# Altium PCB Steam_dev_kit_revised.PcbDoc (part 1 of 3) (continued)
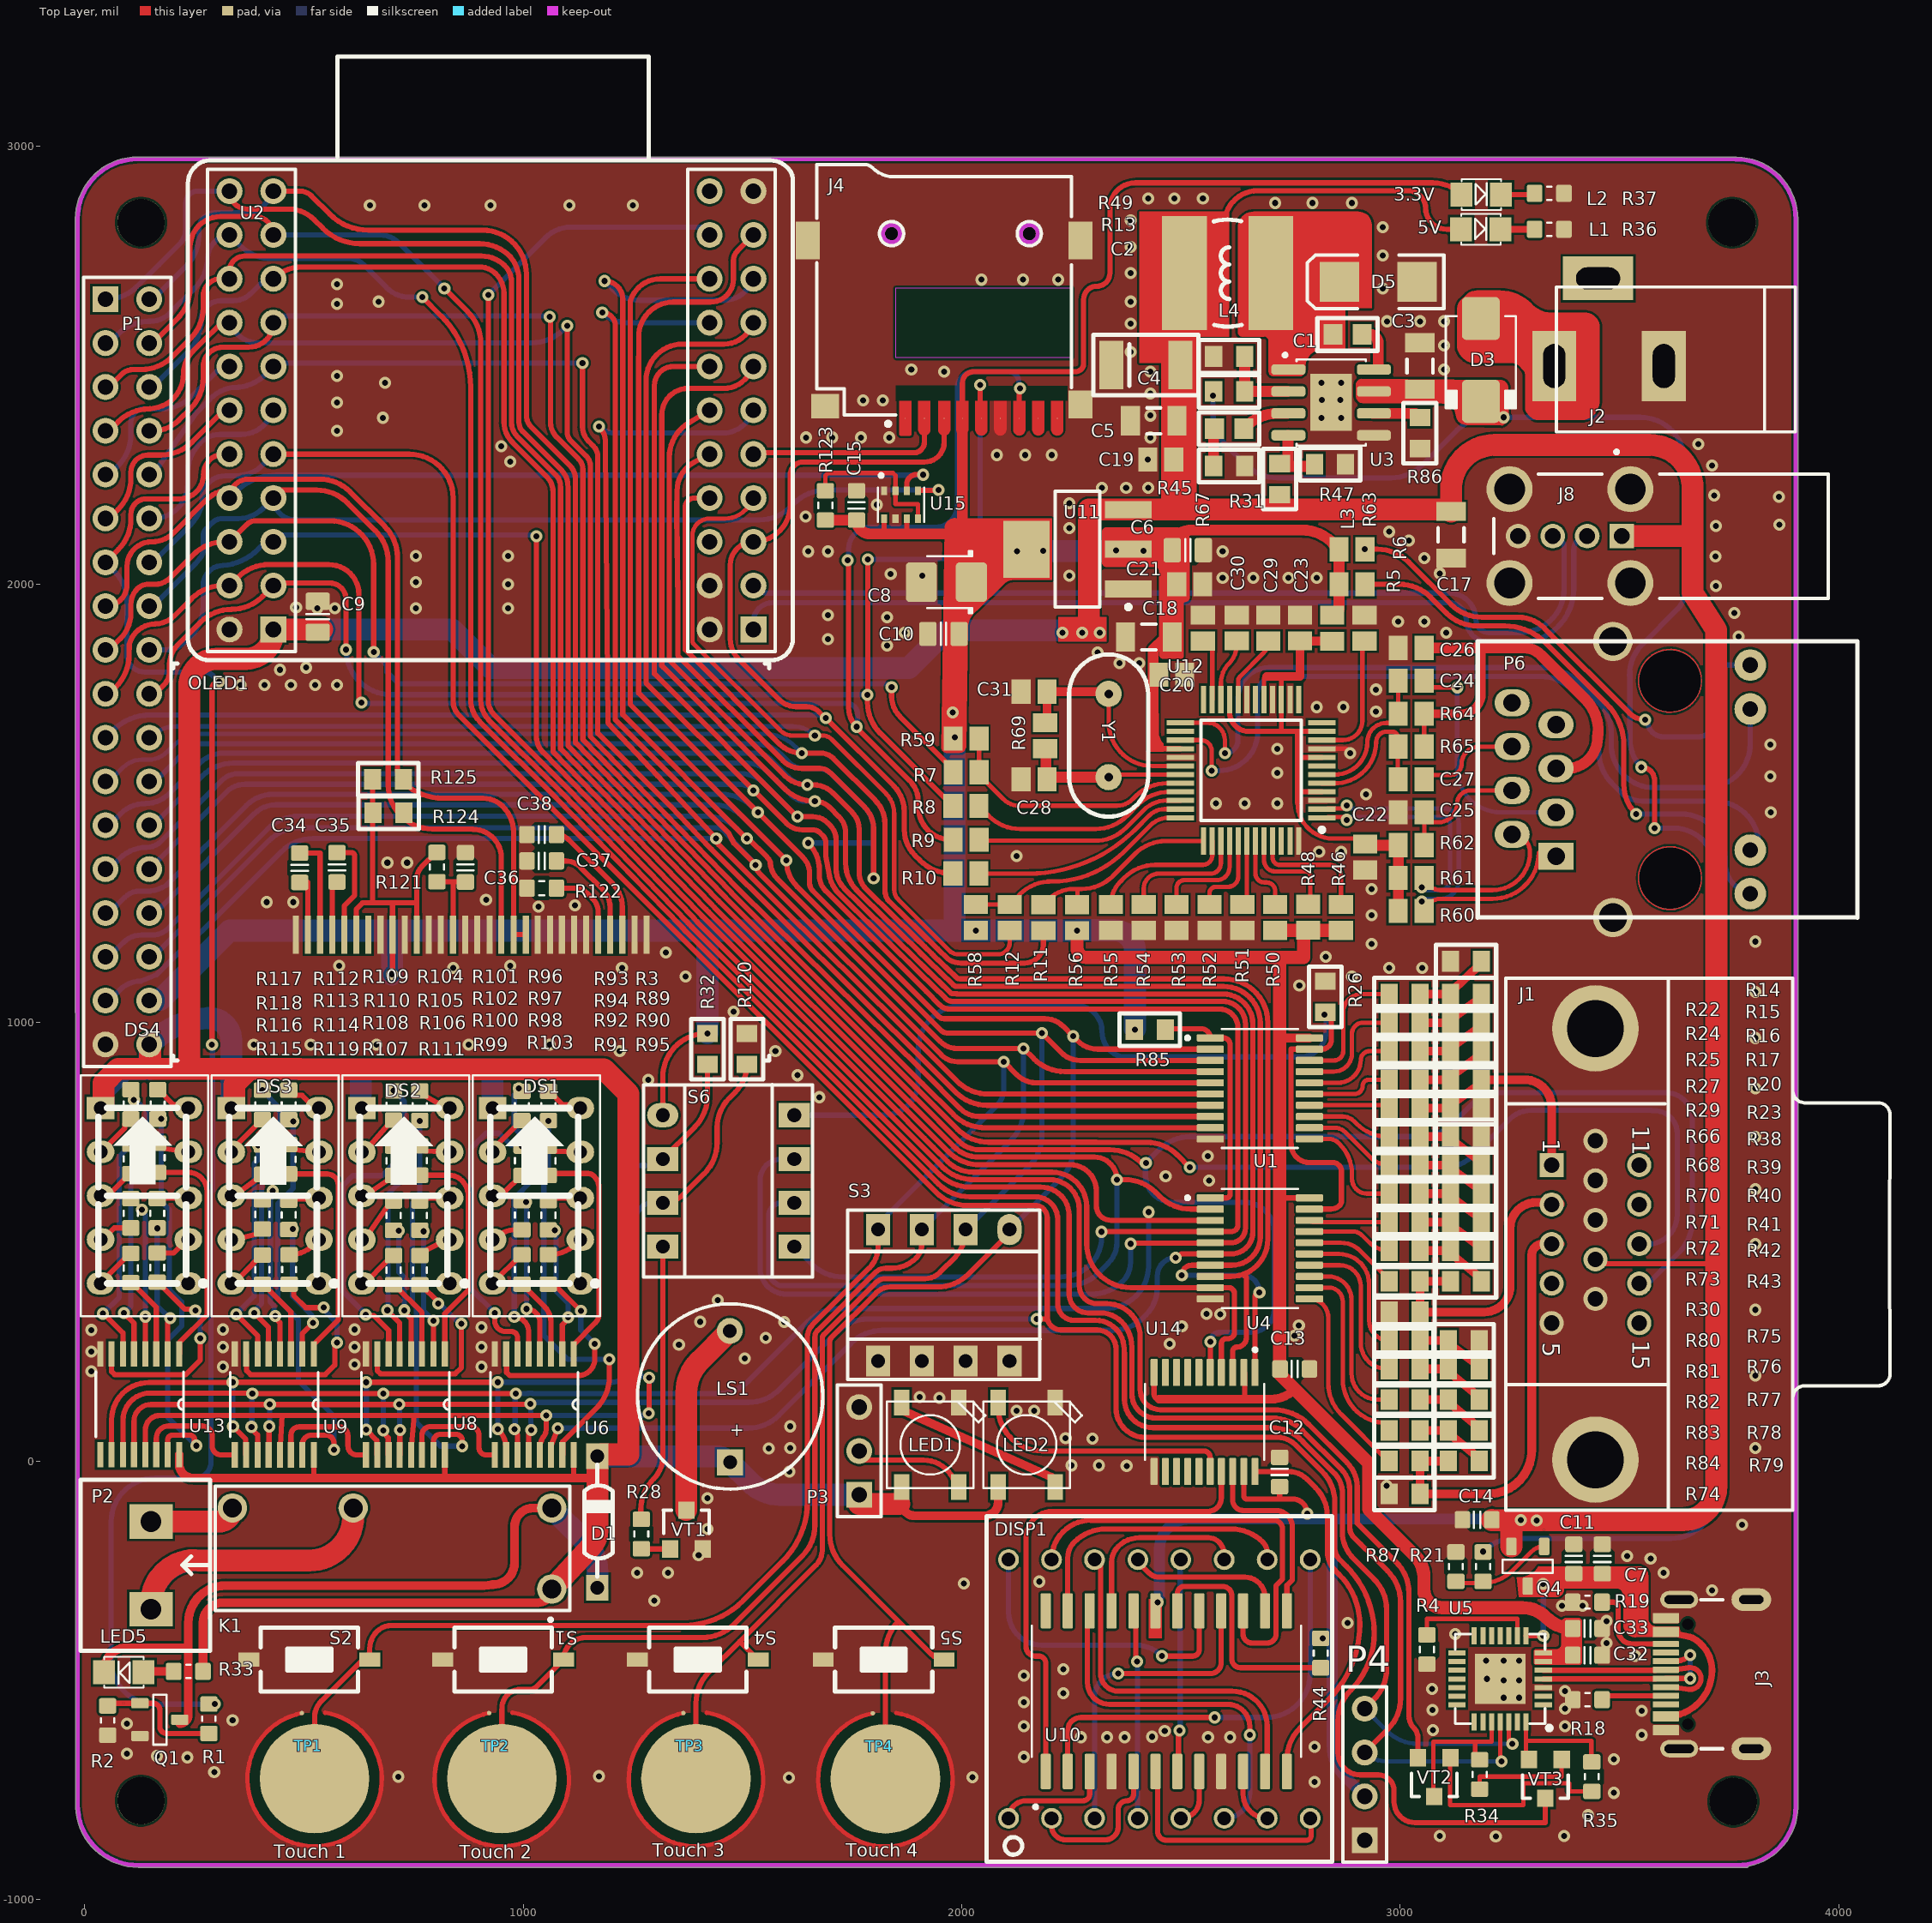
[diagram p0: Top Layer view]
## Footprints (in the part's own frame and the unit in brackets; to place one, negate y for a bottom-side part, rotate by r counter-clockwise, add the part's x,y. Pads: shape width x height; smd on the part's side, far side on the other; paste and mask are expansions set on the pad) (continued)
ALDP [mm]
  round 1.7 hole 1.1: 1(-9.25,2.35) 2(-9.25,-2.35) 3(2.25,-2.35) 4(9.25,-2.35)
  silkscreen extent -10.3,-3.6 10.25,4.22, body extent -10.02,-3.57 10.28,3.43, height 14.9
C0805 [mm] "Radial Cap, Thru-Hole; 2 Leads; 0.3 in Pin Spacing"
  rect 1.1x1.4 smd: 1(-0.75,0) 2(0.75,0)
  body extent -1.1,-0.72 1.1,0.72, height 1.4
C1206 [mm]
  rect 1.1x1.7 smd: 1(-1.35,0) 2(1.35,0)
  silkscreen extent -0.4,-0.75 0.4,0.75, body extent -1.7,-0.9 1.7,0.9, height 1.3
CAP-0603 [mm]
  rect 1.1x1.2 smd: 1(-0.85,0) 2(0.85,0)
  silkscreen extent -1.75,-0.95 1.75,0.95, body extent -0.85,-0.4 0.75,0.4, height 0.9
CAPC1608X90N [mm]
  round 0.254 on Mech15: 0(0,0)
  rrect25% 0.9x1 smd: 1(-0.85,0) 2(0.85,0)
  Top Layer pour cut-out: -0.6,0.5 -0.4,0.7 0.4,0.7 0.6,0.5 0.6,-0.5 0.4,-0.7 -0.4,-0.7 -0.6,-0.5
  silkscreen extent -0.18,-0.48 0.18,0.48, body extent -0.85,-0.45 0.85,0.45, height 0.89
CAPC2012X135N#1 [mm]
  round 0.254 on Mech15: 0(0,0)
  rrect25% 1x1.4 smd: 1(-0.9,0) 2(0.9,0)
  Top Layer pour cut-out: -0.675,0.7 -0.475,0.9 0.475,0.9 0.675,0.7 0.675,-0.7 0.475,-0.9 -0.475,-0.9 -0.675,-0.7
  silkscreen extent -0.15,-0.65 0.15,0.65, body extent -1.1,-0.72 1.1,0.73, height 1.34
CAPC2012X135N#2 [mm] "Chip Capacitor, Body 2.0x1.2mm, EIA 0805, IPC Medium Density"
  round 0.254 on Mech15: 0(0,0)
  rrect25% 1x1.4 smd: 1(-0.9,0) 2(0.9,0)
  silkscreen extent -0.15,-0.65 0.15,0.65, body extent -1.1,-0.72 1.1,0.73, height 1.34
CAPMP3528X210N [mm] "Molded body capacitor, Body 3.5x2.8mm, 1210, IPC Nominal settings"
  round 0.254 on Mech15: 0(0,0)
  rrect25% 1.8x2.3 smd: 1(-1.45,0) 2(1.45,0)
  Top Layer pour cut-out: -0.508,1.27 0.508,1.27 0.508,-1.27 -0.508,-1.27
  silkscreen extent -1.5,-1.8 1.1,1.8, body extent -1.75,-1.4 1.75,1.4, height 2.1
CP2102 [mm]
  rect 1x0.3 smd: 1(-2.5,1.5) 2(-2.5,1) 3(-2.5,0.5) 4(-2.5,0) 5(-2.5,-0.5) 6(-2.5,-1) 7(-2.5,-1.5) 15(2.5,-1.5) 16(2.5,-1) 17(2.5,-0.5) 18(2.5,0) 19(2.5,0.5) 20(2.5,1) 21(2.5,1.5)
  rect 0.3x1 smd: 8(-1.5,-2.5) 9(-1,-2.5) 10(-0.5,-2.5) 11(0,-2.5) 12(0.5,-2.5) 13(1,-2.5) 14(1.5,-2.5) 22(1.5,2.5) 23(1,2.5) 24(0.5,2.5) 25(0,2.5) 26(-0.5,2.5) 27(-1,2.5) 28(-1.5,2.5)
  rect 2.921x2.921 smd paste-3.2: 29(0,0)
  silkscreen extent -2.97,-2.6 2.6,2.97, body extent -2.5,-2.5 2.5,2.5, height 1
DB15-VGA-Female [mm]
  rect 1.4x1.4 hole 0.9: 1(0,0)
  round 1.4 hole 0.9: 2(2.29,0) 3(4.58,0) 4(6.87,0) 9(5.47,2.54) 11(0,5.08) 12(2.29,5.08) 13(4.58,5.08) 14(6.87,5.08) 15(9.16,5.08)
  round 1.4 hole 0.9 mask+0: 5(9.16,0) 6(-1.4,2.54) 7(0.89,2.54) 8(3.18,2.54) 10(7.76,2.54)
  round 5 hole 3.3: 16(-7.915,2.54) 17(17.075,2.54)
  silkscreen extent -10.83,-2.65 20.01,19.61, body extent -12.27,-1.67 21.42,60.12, height 14.3
DC-IN [mil] "Jac DC input"
  rect 100x160 hole 50 slot 100 at 90 deg: 1(125,100) 2(-125,100)
  rect 160x100 hole 50 slot 100 at 0 deg: 3(25,-100)
  silkscreen extent -425,-80 120,250, body extent -410,-105 134,269, height 434
DIODE/NOM/0.5A [mm]
  rect 1.5x1.3 hole 0.8: 1(0,0) 2(7.62,0)
  silkscreen extent 0.64,-0.89 7.11,0.76
DIPSWITCH4 [mm]
  oval 1.4x1.8 hole 0.8: 1(0,0)
  rect 1.4x1.8 hole 0.8: 2(2.54,0) 3(5.08,0) 4(7.62,0) 5(7.62,7.62) 6(5.08,7.62) 7(2.54,7.62) 8(0,7.62)
  silkscreen extent -1.78,-1.12 9.37,8.69, body extent -1.77,-0.99 9.39,8.61, height 6.3
DISP_8X8_MATRIX_2020 [mil]
  round 47.2 hole 31.4: 1(-344,-295) 2(-246,-295) 3(-148,-295) 4(-49,-295) 5(49,-295) 6(148,-295) 7(246,-295) 8(344,-295) 9(344,295) 10(246,295) 11(148,295) 12(49,295) 13(-49,295) 14(-148,295) 15(-246,295) 16(-344,295)
  silkscreen extent -394,-394 394,394
DO-214AA [mm] "JEDEC DO214 variation AA. SMB"
  round 0.508 on Mech15: 0(0,0)
  rrect25% 2.5x2.2 smd: A(-2.4,0) K(2.4,0)
  silkscreen extent -2.54,-2.03 2.79,2.03, body extent -2.8,-1.97 2.8,1.98, height 2.62
ESP32S3_controller [mm]
  rect 1.5x1.5 hole 0.9: 1(14.148,-16.408) L1(-13.665,-16.408)
  round 1.5 hole 0.9: 2(11.608,-16.408) 3(14.148,-13.868) 4(11.608,-13.868) 5(14.148,-11.328) 6(11.608,-11.328) 7(14.148,-8.788) 8(11.608,-8.788) 9(14.148,-6.248) 10(11.608,-6.248) 11(14.148,-3.708) 12(11.608,-3.708) 13(14.148,-1.168) 14(11.608,-1.168) 15(14.148,1.372) 16(11.608,1.372) 17(14.148,3.912) 18(11.608,3.912) 19(14.148,6.452) 20(11.608,6.452) 21(14.148,8.992) 22(11.608,8.992) L2(-16.205,-16.408) L3(-13.665,-13.868) L4(-16.205,-13.868) L5(-13.665,-11.328) L6(-16.205,-11.328) L7(-13.665,-8.788) L8(-16.205,-8.788) L9(-13.665,-6.248) L10(-16.205,-6.248) L11(-13.665,-3.708) L12(-16.205,-3.708) L13(-13.665,-1.168) L14(-16.205,-1.168) L15(-13.665,1.372) L16(-16.205,1.372) L17(-13.665,3.912) L18(-16.205,3.912) L19(-13.665,6.452) L20(-16.205,6.452) L21(-13.665,8.992) L22(-16.205,8.992)
  silkscreen extent -18.62,-18.19 16.43,16.79
HDR1X3 [mm] "Connector; Header; 3 Position"
  rect 1.5x1.5 hole 0.9: 1(0,0)
  round 1.5 hole 0.9: 2(2.54,0) 3(5.08,0)
  silkscreen extent -1.27,-1.27 6.35,1.27
HDR1X4 [mm] "Connector; Header; 4 Position"
  rect 1.5x1.5 hole 0.9: 1(0,0)
  round 1.5 hole 0.9: 2(2.54,0) 3(5.08,0) 4(7.62,0)
  silkscreen extent -1.27,-1.27 8.89,1.27, body extent -1.27,-1.27 8.89,1.27, height 7
HDR2X18 [mm] "Connector; Header; 18x2 Position"
  rect 1.5x1.5 hole 0.9: 1(0,0)
  round 1.5 hole 0.9: 2(0,2.54) 3(2.54,0) 4(2.54,2.54) 5(5.08,0) 6(5.08,2.54) 7(7.62,0) 8(7.62,2.54) 9(10.16,0) 10(10.16,2.54) 11(12.7,0) 12(12.7,2.54) 13(15.24,0) 14(15.24,2.54) 15(17.78,0) 16(17.78,2.54) 17(20.32,0) 18(20.32,2.54) 19(22.86,0) 20(22.86,2.54) 21(25.4,0) 22(25.4,2.54) 23(27.94,0) 24(27.94,2.54) 25(30.48,0) 26(30.48,2.54) 27(33.02,0) 28(33.02,2.54) 29(35.56,0) 30(35.56,2.54) 31(38.1,0) 32(38.1,2.54) 33(40.64,0) 34(40.64,2.54) 35(43.18,0) 36(43.18,2.54)
  silkscreen extent -1.27,-1.27 44.45,3.81, body extent -1.27,-1.27 44.45,3.81, height 1.5
HR911105A [mil]
  rect 80x62 hole 40: 1(0,0)
  oval 80x62 hole 40: 2(-100,50) 3(0,100) 4(-100,150) 5(0,200) 6(-100,250) 7(0,300) 8(-100,350)
  round 72 hole 36: 9(442.91,-85.63) 10(442.91,14) 11(442.91,335.87) 12(442.91,436)
  round 90 hole 65: 13(129.92,-139.76) 14(129.92,490.16)
  Multi-Layer circle w5: c260,400 r70.8
  Multi-Layer circle w5: c260,-50 r70.8
  silkscreen extent -179,-140 687,490
"Inductor SMD 6.8*6.8*4.5" [mm]
  rect 2.6x6.6 smd: 1(0,0) 2(5,0)
  silkscreen extent 1.7,-3.1 3.3,3.1, body extent -0.48,-2.99 5.5,2.99, height 4.5
LED7SEG-1-0.36T [mil] "LED, 7-Segment Display, 7.62 mm, RHD; 10 Leads; Row Space 5.08 mm; Pitch 2.54 mm"
  rect 62.99x51.18 hole 31: 1(-95,200)
  oval 62.99x51.18 hole 31: 2(-95,100) 3(-95,0) 4(-95,-100) 5(-95,-200) 6(105,-200) 7(105,-100) 8(105,-5) 9(105,100) 10(105,200)
  silkscreen extent -140,-275 150,275, body extent -143,-276 153,276, height 156
LQFP48 [mm]
  rect 0.3x1.6 smd: 1(2.75,4.1) 2(2.25,4.1) 3(1.75,4.1) 4(1.25,4.1) 5(0.75,4.1) 6(0.25,4.1) 7(-0.25,4.1) 8(-0.75,4.1) 9(-1.25,4.1) 10(-1.75,4.1) 11(-2.25,4.1) 12(-2.75,4.1) 25(-2.75,-4.1) 26(-2.25,-4.1) 27(-1.75,-4.1) 28(-1.25,-4.1) 29(-0.75,-4.1) 30(-0.25,-4.1) 31(0.25,-4.1) 32(0.75,-4.1) 33(1.25,-4.1) 34(1.75,-4.1) 35(2.25,-4.1) 36(2.75,-4.1)
  rect 1.6x0.3 smd: 13(-4.1,2.75) 14(-4.1,2.25) 15(-4.1,1.75) 16(-4.1,1.25) 17(-4.1,0.75) 18(-4.1,0.25) 19(-4.1,-0.25) 20(-4.1,-0.75) 21(-4.1,-1.25) 22(-4.1,-1.75) 23(-4.1,-2.25) 24(-4.1,-2.75) 37(4.1,-2.75) 38(4.1,-2.25) 39(4.1,-1.75) 40(4.1,-1.25) 41(4.1,-0.75) 42(4.1,-0.25) 43(4.1,0.25) 44(4.1,0.75) 45(4.1,1.25) 46(4.1,1.75) 47(4.1,2.25) 48(4.1,2.75)
  silkscreen extent -2.9,-2.9 3.57,4.22
"Medium - Header 2" [mm]
  rect 2x2.5 hole 1.2: 1(-2.54,0) 2(2.54,0)
  silkscreen extent -4.95,-4.08 4.95,3.43, body extent -5,-4.07 5,3.43, height 10
RES-0603 [mm]
  rect 1x1.2 smd: 1(-0.9,0) 2(0.9,0)
  silkscreen extent -1.75,-0.95 1.75,0.95, body extent -0.85,-0.4 0.75,0.4, height 0.45
RESC1608N_ZERO#1 [mm] "Chip Resistor, Body 1.6x0.8mm, 0603, IPC Medium Density"
  round 0.254 on Mech15: 0(0,0)
  rrect25% 0.9x1 smd: 1(-0.85,0) 2(0.85,0)
  silkscreen extent -0.13,-0.38 0.13,0.38, body extent -0.85,-0.45 0.85,0.45, height 0.89
RESC1608N_ZERO#2 [mm]
  round 0.254 on Mech15: 0(0,0)
  rrect25% 0.9x1 smd: 1(-0.85,0) 2(0.85,0)
  Top Layer pour cut-out: -0.6,0.5 -0.4,0.7 0.4,0.7 0.6,0.5 0.6,-0.5 0.4,-0.7 -0.4,-0.7 -0.6,-0.5
  silkscreen extent -0.15,-0.41 0.15,0.41, body extent -0.87,-0.47 0.88,0.48, height 0.54
SAMTEC_USBR-A-S-F-O-VU [mm]
  rect 1.428x1.428 / inner round 1.428 / far side rect 1.428x1.428 hole 0.92: 01(0,-3)
  round 1.428 hole 0.92: 02(0,-1) 03(0,1) 04(0,3)
  round 2.67 hole 1.78: S1(-2.72,-3.5) S2(2.72,-3.5) S3(2.72,3.5) S4(-2.72,3.5)
  silkscreen extent -3.6,-14.97 4.97,4.4
SDCard_Micro [mm] "Micro SD Card, TF Card, Memory Card Connector, 9-Leads, Body 16.44x15.6 mm, 1.4mm Profile SMT, Push-Push (MEM2055/MEM2075)"
  round 1 hole 1: 0(-4.93,0) 0(3.05,0)
  round 0.025 smd: 1(2.25,10.7) 2(1.15,10.7) 3(0,10.7) 4(-1.05,10.7) 5(-2.15,10.7) 6(-3.25,10.7) 7(-4.35,10.7) 8(-5.45,10.7) 9(-6.55,10.7)
  rect 1.4x1.6 smd: SH(-7.9,9.9)
  rect 1.4x2.2 smd: SH(-7.9,0.4) SH(7.9,0.4)
  rect 1.6x1.4 smd: SH(6.9,10)
  Top Layer pour cut-out: -7.15,9.7 2.794,9.7 2.794,8.8 -7.15,8.8
  Top Layer region: 2.6,9.7 1.9,9.7 1.9,11.613 1.907,11.646 1.926,11.674 1.954,11.693 1.987,11.7 1.987,11.7 2.513,11.7 2.546,11.693 2.574,11.674 2.593,11.646 2.6,11.613 2.6,11.613
  Top Layer region: 1.5,9.7 0.8,9.7 0.8,11.35 0.827,11.484 0.903,11.597 1.016,11.673 1.15,11.7 1.15,11.7 1.284,11.673 1.397,11.597 1.473,11.484 1.5,11.35 1.5,11.35
  Top Layer region: 0.35,9.7 -0.35,9.7 -0.35,11.35 -0.323,11.484 -0.247,11.597 -0.134,11.673 0,11.7 0,11.7 0.134,11.673 0.247,11.597 0.323,11.484 0.35,11.35 0.35,11.35
  Top Layer region: -0.7,9.7 -1.4,9.7 -1.4,11.35 -1.373,11.484 -1.298,11.597 -1.184,11.673 -1.05,11.7 -1.05,11.7 -0.916,11.673 -0.803,11.597 -0.727,11.484 -0.7,11.35 -0.7,11.35
  Top Layer region: -1.8,9.7 -2.5,9.7 -2.5,11.35 -2.473,11.484 -2.398,11.597 -2.284,11.673 -2.15,11.7 -2.15,11.7 -2.016,11.673 -1.903,11.597 -1.827,11.484 -1.8,11.35 -1.8,11.35
  Top Layer region: -2.9,9.7 -3.6,9.7 -3.6,11.35 -3.573,11.484 -3.498,11.597 -3.384,11.673 -3.25,11.7 -3.25,11.7 -3.116,11.673 -3.003,11.597 -2.927,11.484 -2.9,11.35 -2.9,11.35
  Top Layer region: -4,9.7 -4.7,9.7 -4.7,11.35 -4.673,11.484 -4.597,11.597 -4.484,11.673 -4.35,11.7 -4.35,11.7 -4.216,11.673 -4.103,11.597 -4.027,11.484 -4,11.35 -4,11.35
  Top Layer region: -5.1,9.7 -5.8,9.7 -5.8,11.35 -5.773,11.484 -5.697,11.597 -5.584,11.673 -5.45,11.7 -5.45,11.7 -5.316,11.673 -5.203,11.597 -5.127,11.484 -5.1,11.35 -5.1,11.35
  Top Layer region: -6.2,9.7 -6.9,9.7 -6.9,11.35 -6.873,11.484 -6.797,11.597 -6.684,11.673 -6.55,11.7 -6.55,11.7 -6.416,11.673 -6.303,11.597 -6.227,11.484 -6.2,11.35 -6.2,11.35
  Keep-Out Layer circle w0.254: c3.05,0 r0.5
  Keep-Out Layer circle w0.254: c-4.93,0 r0.5
  Keep-Out Layer region: -7.39,3.15 -7.39,7.2 2.81,7.2 2.81,3.15
  silkscreen extent -7.37,-4 7.37,11.14, body extent -8,-6.26 8.05,11.27, height 1.9
SM-LED-0805-Orange [mil]
  rect 50x55 smd: 1(0,0) 2(90,0)
  silkscreen extent 0,-35 90,35, body extent 5,-25 85,25, height 43
SMB [mm]
  rect 2.3x2.3 smd: 1(-2.25,0) 2(2.25,0)
  silkscreen extent -3.8,-1.55 4.1,1.55
SMT_TRIODE_NPN [mm]
  rect 0.95x1 smd: 1(-0.95,-1.125) 2(0.95,-1.125) 3(0,1.125)
  silkscreen extent -1.33,-0.22 1.32,1.13, body extent -1.45,-1.4 1.45,1.4, height 1.3
SOIC127P600X170-9N [mm]
  rrect54% 1.97x0.6 smd: 1(-2.475,1.905) 2(-2.475,0.635) 3(-2.475,-0.635) 4(-2.475,-1.905) 5(2.475,-1.905) 6(2.475,-0.635) 7(2.475,0.635) 8(2.475,1.905)
  rect 2.41x3.3 smd paste-3: 9(0,0)
  silkscreen extent -2.77,-2.5 2,2.84
SOIC127P1032X265-24N [mm]
  rrect25% 2.05x0.59 smd: 1(-4.655,6.985) 2(-4.655,5.715) 3(-4.655,4.445) 4(-4.655,3.175) 5(-4.655,1.905) 6(-4.655,0.635) 7(-4.655,-0.635) 8(-4.655,-1.905) 9(-4.655,-3.175) 10(-4.655,-4.445) 11(-4.655,-5.715) 12(-4.655,-6.985) 13(4.655,-6.985) 14(4.655,-5.715) 15(4.655,-4.445) 16(4.655,-3.175) 17(4.655,-1.905) 18(4.655,-0.635) 19(4.655,0.635) 20(4.655,1.905) 21(4.655,3.175) 22(4.655,4.445) 23(4.655,5.715) 24(4.655,6.985)
  silkscreen extent -6.8,-7.8 3.8,7.8
SOP65P640X110-16N [mil]
  rect 58x14 smd: 1(-115,90) 2(-115,64) 3(-115,38) 4(-115,13) 5(-115,-13) 6(-115,-38) 7(-115,-64) 8(-115,-90) 9(115,-90) 10(115,-64) 11(115,-38) 12(115,-13) 13(115,13) 14(115,38) 15(115,64) 16(115,90)
  silkscreen extent -74,-100 74,100, body extent -126,-98 126,98, height 43
SOP65P640X120-20N [mm]
  rrect25% 1.57x0.41 smd: 1(-2.87,2.925) 2(-2.87,2.275) 3(-2.87,1.625) 4(-2.87,0.975) 5(-2.87,0.325) 6(-2.87,-0.325) 7(-2.87,-0.975) 8(-2.87,-1.625) 9(-2.87,-2.275) 10(-2.87,-2.925) 11(2.87,-2.925) 12(2.87,-2.275) 13(2.87,-1.625) 14(2.87,-0.975) 15(2.87,-0.325) 16(2.87,0.325) 17(2.87,0.975) 18(2.87,1.625) 19(2.87,2.275) 20(2.87,2.925)
  silkscreen extent -4.29,-3.45 2.2,3.45, body extent -3.2,-3.25 3.2,3.25, height 1.2
SOT23-3 [mm] "SOT23, 3 pin"
  round 0.5 on Mech15: 0(0,0)
  rrect25% 1x0.6 smd: 1(-1.15,0.95) 2(-1.15,-0.95) 3(1.15,0)
  silkscreen extent -0.38,-1.45 0.38,1.45, body extent -1.4,-1.45 1.4,1.45, height 1.29
SOT223_M [mm]
  rect 2.7x1 smd: 1(-2.95,2.3) 2(-2.95,0) 3(-2.95,-2.3)
  rect 2.7x3.3 smd: 2(2.95,0)
  silkscreen extent -3.08,-3.35 1.3,3.47, body extent -1.85,-3.35 1.85,3.35, height 1.7
SPEAKER [mm]
  rect 1.5x1.5 hole 0.8: 1(0,0)
  round 1.5 hole 0.8: 2(7.62,0.013)
  silkscreen extent -1.55,-5.38 9.18,5.36, body extent -2.22,-6 13.24,6, height 4.5
SW-SMD [mm] "Switch SMD type"
  rect 1.2x0.8 smd: 1(-3.5,0) 2(3.5,0)
  silkscreen extent -2.82,-1.85 2.82,1.85, body extent -3.05,-1.85 3.05,1.85, height 2.5
Tantal_B [mm]
  rect 1.4x2.8 smd: 1(-2,0) 2(2,0)
  silkscreen extent -3.05,-1.75 3.05,1.75, body extent -1.8,-1.4 1.7,1.4, height 1.9
"Touch Pad" [mil]
  round 250 smd: 1(0,1)
  round 10 smd: 2(-28.93,150.63)
  Top Layer pour cut-out: -28.93,150.63 -89,125 -133,82 -154,25 -150,-28 -133,-73 -99,-116 -66,-138 -2,-154 57,-144 109,-109 138,-71 151,-30 154,5 149,46 131,84 88,126 24.08,151.48
  Top Layer lines w10: -28.93,150.63 ccw(c0,0) 24.08,151.48
UG-2864HSWEG01_1.3 [mil]
  rect 14x87 smd: 1(-399.61,-7.87) 2(-372.05,-7.87) 3(-344.49,-7.87) 4(-316.93,-7.87) 5(-289.37,-7.87) 6(-261.81,-7.87) 7(-234.25,-7.87) 8(-206.69,-7.87) 9(-179.13,-7.87) 10(-151.57,-7.87) 11(-124.02,-7.87) 12(-96.46,-7.87) 13(-68.9,-7.87) 14(-41.34,-7.87) 15(-13.78,-7.87) 16(14,-7.87) 17(42,-7.87) 18(69,-7.87) 19(97,-7.87) 20(125,-7.87) 21(152,-7.87) 22(180,-7.87) 23(207,-7.87) 24(235,-7.87) 25(262,-7.87) 26(290,-7.87) 27(317,-7.87) 28(345,-7.87) 29(373,-7.87) 30(400,-7.87)
  silkscreen extent -680,-295 680,610
"USB-C 8p" [mm]
  rrect10% 0.6x1.5 smd mask+0.025: A1/B12(-3.25,7.55) A4/B9(-2.45,7.55) A9/B4(2.45,7.55) A12/B1(3.25,7.55)
  rrect10% 0.35x1.5 smd mask+0.025: A5(-1.25,7.55) A6(-0.25,7.55) A6(0.75,7.55) A7(-0.75,7.55) A7(0.25,7.55) B5(1.75,7.55) ""(-1.75,7.55) ""(1.25,7.55)
  oval 1x2.2 hole 1.7 slot 0.5 at 0 deg mask+0.025: SHLD(-4.32,6.78) SHLD(4.32,6.78)
  oval 1.3x2.3 / inner oval 1.3x2.3 / far side oval 1.3x1.7 hole 1.4 slot 0.5 at 0 deg mask+0.025: SHLD(-4.32,2.6) SHLD(4.32,2.6)
  round 0 hole 0.65 unplated mask+0.025: ""(-2.89,6.28) ""(2.89,6.28)
  silkscreen extent -4.32,4.26 4.32,5.52, body extent -4.47,0 4.47,7.9, height 3.2
WS2812B [mm]
  rect 1.5x0.9 smd: 1-VDD(2.45,-1.65) 2-DOUT(2.45,1.65) 3-GND(-2.45,1.65) 4-DIN(-2.45,-1.65)
  silkscreen extent -2.5,-2.5 2.5,3.2
XDCR_BMP280 [mm]
  rect 0.5x0.35 smd: 1(0.8,0.975) 2(0.8,0.325) 3(0.8,-0.325) 4(0.8,-0.975) 5(-0.8,-0.975) 6(-0.8,-0.325) 7(-0.8,0.325) 8(-0.8,0.975)
  silkscreen extent -1,-1.35 1.79,1.35
XTAL-HC49 [mil] "Crystal, Thru-Hole; 2 Leads; Body 3.1 x 8.2 mm (Dia.xH)"
  round 60 hole 19.68: 1(0,0) 2(190,0)
  silkscreen extent -90,-90 280,90

## Part data
C1 C2: library part Cap, "Capacitor", LatestRevisionDate=17-Jul-2002, LatestRevisionNote="Re-released for DXP Platform.", links=links, PackageDescription="Radial Cap, Thru-Hole; 2 Leads; 0.3 in Pin Spacing", PackageReference=RAD-0.3, price=price, Published=8-Jun-2000, Publisher="Altium Limited"
C3 C5: library part "Cap SMD 1206"
C4: library part "Cap Pol", "Polarized Capacitor (Axial)", Voltage=10V, LatestRevisionDate=17-Jul-2002, LatestRevisionNote="Re-released for DXP Platform.", links=https://www.promelec.ru/product/327656/, PackageDescription="Polarized Capacitor; 2 Leads", PackageReference=POLAR0.8, price=12.53, Published=8-Jun-2000, Publisher="Altium Limited"
C6 C9 C10: library part "CAP C_0805", "Capacitor SMD Cer 1.8nF 10% 50V X7R 0805", Manufacturer 1="AVX Corporation", Manufacturer Part Number 1=08055C182KAT2A, Operating Temperature="-55°C ~ 125°C", Package / Case="0805 (2012 metric)", Ratings="50V; X7R", Supplier Part Number 1=478-1374-1-ND, Tolerance=±10%, SCDType=source*, Supplier 1=Digi-Key
C7 C12 C13 C14 C32: library part CAP-SM-0603-X5R-10uF, "CAP SM 0603 X5R 10uF 10%", Supplier Part Number 1=2366833, Tolerance=±10%, Supplier 1=Farnell, Supplier 2=Digi-Key, Supplier Part Number 2=490-3896-1-ND
C8: library part "CAP Tatalium"
C11 C15 C33 C34 C35 C36 C37 C38: library part CAP-SM-0603-X7R-100nF, "CAP SM 0603 X7R 100nF 10%", Supplier Part Number 1=490-3167-1-ND, Tolerance=±10%, Supplier 1=Digi-Key, Supplier 2=Farnell, Supplier Part Number 2=1775994RL
C17 C18: library part "Cap Pol2", "Polarized Capacitor (Axial)", LatestRevisionDate=17-Jul-2002, LatestRevisionNote="Re-released for DXP Platform.", PackageDescription="Polarized Capacitor; 2 Leads", PackageReference=POLAR0.8, Published=8-Jun-2000, Publisher="Altium Limited"
C19 C20 C21 C22 C23 C24 C25 C26 C27 C28 C29 C30 C31: "Capacitor", LatestRevisionDate=17-Jul-2002, LatestRevisionNote="Re-released for DXP Platform.", PackageDescription="Radial Cap, Thru-Hole; 2 Leads; 0.3 in Pin Spacing", PackageReference=RAD-0.3, Published=8-Jun-2000, Publisher="Altium Limited"
D1: "Zener Diode", LatestRevisionDate=17-Jul-2002, LatestRevisionNote="Re-released for DXP Platform.", PackageReference=DIODE-0.7, Published=8-Jun-2000, Publisher="Altium Limited"
D3: library part DIODE_SCHOTTKY_MBRS130L, "Diode Schottky SMD 30V 2A DO-214AA", Manufacturer 1="Fairchild Semiconductor", Package / Case="DO-214AA, SMB", Ratings="30Vr; 2A", Supplier Part Number 1=MBRS130LFSCT-ND, Manufacturer Part Number 1=MBRS130L, Material=Si, SCDType=source, Supplier 1=Digi-Key
D5: library part "D Schottky", "Schottky Diode", Code_JEDEC=DO-214-AA, LatestRevisionDate=17-Jul-2002, LatestRevisionNote="Re-released for DXP Platform.", PackageDescription="DO-214-AA/SMB; 2 C-Bend Leads; Body 5.3 x 3.6 mm, inc. leads (LxW)", PackageReference=SMB, Published=8-Jun-2000, Publisher="Altium Limited"
DISP1: BOM_Manufacturer Part=?, catid=20, Contributor=DangerousPrototype, spicePre=D
DS1 DS2 DS3 DS4: "7.6 mm Micro Bright Green 7-Segment Display: CA, RH DP", ComponentLink1Description="Manufacturer Link", ComponentLink1URL=http://www.avagotech.com/, ComponentLink2Description=Datasheet, ComponentLink2URL=http://cp.literature.agilent.com/litweb/pdf/5988-4434EN.pdf, DatasheetVersion=11-Feb-2002, LatestRevisionDate=11-Oct-2004, LatestRevisionNote="Display outline superimposed on PCB Footprint.", Note="Pins 1 and 6 are redundant Anodes.", PackageDescription="LED, 7-Segment Display, 7.62 mm, RHD; 10 Leads; Row Space 5.08 mm; Pitch 2.54 mm", PackageReference=A, PackageVersion=11-Feb-2002, Published=26-May-2004, Publisher="Altium Limited"
J1: library part "CON 15 Female", "Socket, High-Density DB15 (HD15) R/A Female Through-hole", Max Current="3 A", Category=Connector, Connector type="Right Angle", Mounting Technology=Through-Hole, Pin Count=15, Status=Unreleased
J2: library part DCIN, "Jac DC input"
J4: "Micro SD Memory Card Connector"
J8: "USB-A (USB TYPE-A) USB 2.0 Receptacle Connector 4 Position Through Hole", Package=None, Check_prices=https://www.snapeda.com/parts/USBR-A-S-F-O-VU/Samtec+Inc./view-part/?ref=eda, MF=Samtec, MP=USBR-A-S-F-O-VU, SnapEDA_Link=https://www.snapeda.com/parts/USBR-A-S-F-O-VU/Samtec+Inc./view-part/?ref=snap
K1: library part ALDP105, Manufacturer_Name=Panasonic, Package=ALDP, Arrow_Part_Number=ALDP105, Arrow_Price-Stock=https://www.arrow.com/en/products/aldp105/panasonic, DeviceSetName=ALDP105, GateName_1=G$1, Height=mm, LibraryName=ALDP105, Manufacturer_Part_Number=ALDP105, Mouser_Part_Number=769-ALDP105, Mouser_Price-Stock=https://www.mouser.co.uk/ProductDetail/Panasonic-Industrial-Devices/ALDP105?qs=Xhpf1s68vbq5B68QcwMLFg%3D%3D, SymbolName_1=ALDP105
L1 L2 LED5: library part "LED SMD 0805"
L4: library part Inductor, links=https://www.promelec.ru/product/318749/, Marka=LQH55DN150M03L, price=68.07
LED1 LED2: "Raspberry Pi HAT _40 pin_ Wheeled Robotics Kit", Package=None, Availability=Unavailable, MF="SparkFun Electronics", MP=WS2812B, price=None, SnapEDA_Link=https://www.snapeda.com/parts/WS2812B/Worldsemi/view-part/1038297/?ref=snap
LS1: "Loudspeaker", LatestRevisionDate=17-Jul-2002, LatestRevisionNote="Re-released for DXP Platform.", PackageReference=PIN2, Published=24-Mar-1999, Publisher="Altium Limited"
P1: "Header, 18-Pin, Dual row", LatestRevisionDate=17-Jul-2002, LatestRevisionNote="Re-released for DXP Platform.", Publisher="Altium Limited"
P2: "Header, 2-Pin, Medium", LatestRevisionDate=17-Jul-2002, LatestRevisionNote="Re-released for DXP Platform.", Publisher="Altium Limited"
P3: "Header, 3-Pin", LatestRevisionDate=17-Jul-2002, LatestRevisionNote="Re-released for DXP Platform.", Publisher="Altium Limited"
P4: "Header, 4-Pin", LatestRevisionDate=17-Jul-2002, LatestRevisionNote="Re-released for DXP Platform.", Publisher="Altium Limited"
P6: "RJ45插座"
R1 R2 R18 R19 R28 R33 R36 R37: library part RES_0603, "Resistor SMD chip 0.0 Ohm 0.1W 0603", Manufacturer 1=Vishay/Dale, Manufacturer 2="Panasonic Electronic Components", Manufacturer 3=Yageo, Manufacturer Part Number 1=CRCW06030000Z0EA, Manufacturer Part Number 2=ERJ-3GEY0R00V, Manufacturer Part Number 3=AC0603JR-070RL, Package / Case="0603 (1608metric)", Ratings=1/10W, Supplier Part Number 1=541-0.0GCT-ND, Tolerance=±5%, ComponentLink1Description=http://www.vishay.com/doc?20035, ComponentLink1URL=http://www.vishay.com/doc?20035, ComponentLink2Description=http://industrial.panasonic.com/www-cgi/jvcr13pz.cgi?E+PZ+3+AOA0001+ERJ3GEY0R00V+7+WW, ComponentLink2URL=http://industrial.panasonic.com/www-cgi/jvcr13pz.cgi?E+PZ+3+AOA0001+ERJ3GEY0R00V+7+WW, ComponentLink3Description=http://www.yageo.com/documents/recent/PYu-AC_51_RoHS_L_2.pdf, ComponentLink3URL=http://www.yageo.com/documents/recent/PYu-AC_51_RoHS_L_2.pdf, RoHS 2="RoHS Compliant", RoHS 3="RoHS Compliant", SCDType=spec, Supplier 1=Digi-Key, Supplier 2=Digi-Key, Supplier 3=Digi-Key, Supplier Part Number 2=P0.0GTR-ND, Supplier Part Number 3=311-0.0LECT-ND
R3 R89 R90 R91 R92 R93 R94 R95 R96 R97 R98 R99 R100 R101 R102 R103 R104 R105 R106 R107 R108 R109 R110 R111 R112 R113 R114 R115 R116 R117 R118 R119: library part RES-SM-0603-10K, "RES SM 0603 300R", Supplier Part Number 1=9330399, Supplier 1=Farnell, Supplier 2=Digi-Key, Supplier Part Number 2=541-10.0KHCT-ND
R4 R21 R34 R35 R44 R87 R121 R122 R123: library part RES-SM-0603-10K, "RES SM 0603 10K", Supplier Part Number 1=9330399, Supplier 1=Farnell, Supplier 2=Digi-Key, Supplier Part Number 2=541-10.0KHCT-ND
R5 R6 R7 R8 R9 R10 R11 R12 R14 R15 R16 R17 R20 R22 R23 R24 R25 R26 R27 R29 R30 R32 R38 R39 R40 R41 R42 R43 R46 R48 R50 R51 R52 R53 R54 R55 R56 R58 R59 R60 R61 R62 R63 R64 R65 R66 R67 R68 R69 R70 R71 R72 R73 R74 R75 R76 R77 R78 R79 R80 R81 R82 R83 R84 R85 R120 R124 R125: "Resistor", LatestRevisionDate=17-Jul-2002, LatestRevisionNote="Re-released for DXP Platform.", PackageDescription="Axial Device, Thru-Hole; 2 Leads; 0.4 in Pin Spacing", PackageReference=AXIAL-0.4, Published=8-Jun-2000, Publisher="Altium Limited"
R13 R31 R45 R47 R49 R86: library part Res, links=links, price=price
S1 S2 S4 S5: "Switch", LatestRevisionDate=17-Jul-2002, LatestRevisionNote="Re-released for DXP Platform.", PackageReference=SPST-2, Published=24-Mar-1999, Publisher="Altium Limited"
S3 S6: "DIP Switch, 4 Position, SPST", Code_IPC=SOIC127P600-8, Code_JEDEC=MS-012-AA, LatestRevisionDate=29-May-2009, LatestRevisionNote="IPC-7351 Footprint Added.", PackageDescription="8-Pin Small Outline Integrated Circuit 1.27 mm Pitch", PackageReference=SO8, PackageVersion=Dec-2002, Published=24-Mar-1999, Publisher="Altium Limited"
U1 U4: "Octal Bus Transceiver With 3-State Outputs 20-TSSOP -40 to 125", Package="TSSOP-20 Texas Instruments", Availability=Good, Check_prices=https://www.snapeda.com/parts/SN74LVC245APWR/Texas%20Instruments/view-part/213920/?ref=eda, MF="Texas Instruments", MP=SN74LVC245APWR, price=None, Purchase-URL=https://pricing.snapeda.com/search/part/SN74LVC245APWR/?ref=eda, SnapEDA_Link=https://www.snapeda.com/parts/SN74LVC245APWR/Texas%20Instruments/view-part/213920/?ref=snap
U3: "Buck Switching Regulator IC Positive Adjustable 0.8V 1 Output 3A 8-SOIC _0.154, 3.90mm Width_ Exposed Pad", Package="SOIC-8 Monolithic Power", Availability=Unavailable, MF="Monolithic Power", MP=MP1584EN, price=None, SnapEDA_Link=https://www.snapeda.com/parts/MP1584EN/Monolithic%20Power%20Systems%20Inc./view-part/891721/?ref=snap
U5: "Single-Chip USB to UART Bridge, 1024 Bytes EEPROM, -40 to 85 degC, 28-pin QFN, Tube", Manufacturer="Silicon Labs", Supplier Part Number 1=336-1160-5-ND, Code_IPC=J-STD-020C, Code_JEDEC=MO-220, ComponentLink1Description="Manufacturer URL", ComponentLink1URL=http://www.silabs.com/, ComponentLink2Description=Datasheet, ComponentLink2URL=http://www.silabs.com/Support%20Documents/TechnicalDocs/CP2102-9.pdf, ComponentLink3Description="Package Specification", ComponentLink3URL=http://www.silabs.com/Support%20Documents/TechnicalDocs/C8051T61x.pdf, DatasheetVersion="Rev. 1.5", EEPROM="1024 Bytes", Internal Oscillator=TRUE, Mounting Technology="Surface Mount", PackageDescription="28-Pin Quad-Flat No-Leads Package, Body 5 x 5 mm, Pitch 0.5 mm", PackageReference=QFN-28, PartNumber=CP2102-GM, Sub-Family="USB Bridges", Supplier 1=Digi-Key, Supplier 2=Farnell, Supplier 3=Newark, Supplier 4=Mouser, Supplier Part Number 2=9282130, Supplier Part Number 3=30K5635, Supplier Part Number 4=634-CP2102-GM
U6 U8 U9 U13: "Shift Shift Register 1 Element 8 Bit 16-TSSOP", Package="TSSOP16-16 Nexperia USA Inc.", Check_prices=https://www.snapeda.com/parts/74HC595PW,118/Nexperia/view-part/?ref=eda, MF="Nexperia USA", MP=74HC595PW,118, SnapEDA_Link=https://www.snapeda.com/parts/74HC595PW,118/Nexperia/view-part/?ref=snap
U10: "LED Driver 64 Segment 330000uA Supply Current 24-Pin SOIC W T/R", Package=None, Check_prices=https://www.snapeda.com/parts/MAX7219CWG+T/Maxim+Integrated/view-part/?ref=eda, MF="Maxim Integrated Products", MP=MAX7219CWG+T, SnapEDA_Link=https://www.snapeda.com/parts/MAX7219CWG+T/Maxim+Integrated/view-part/?ref=snap
U11: library part AMS1117, "AMS1117-"
U12: "W5500以太网芯片"
U14: "8-bit bidirectional voltage-level shifter for open-drain and push-pull application", Package="TSSOP-20 Texas Instruments", Availability="In Stock", Check_prices=https://www.snapeda.com/parts/TXS0108EPWR/Texas+Instruments/view-part/?ref=eda, MF="Texas Instruments", MP=TXS0108EPWR, price=None, Purchase-URL=https://pricing.snapeda.com/search/part/TXS0108EPWR/?ref=eda, SnapEDA_Link=https://www.snapeda.com/parts/TXS0108EPWR/Texas+Instruments/view-part/?ref=snap
U15: "BMP280 Absolute Barometric Pressure Sensor for Battery Powered Devices 2 x 2.5mm", Package=None, Availability=Unavailable, MP=BMP280, price=None
VT1 VT2 VT3: library part SMT_TRIODE_NPN, "Surface mount NPN transistor, package SOT-23"
Y1: library part XTAL, "Crystal Oscillator", LatestRevisionDate=17-Jul-2002, LatestRevisionNote="Re-released for DXP Platform.", PackageDescription="Crystal, Thru-Hole; 2 Leads; Body 3.1 x 8.2 mm (Dia.xH)", PackageReference=R38, Published=8-Jun-2000, Publisher="Altium Limited"
L3: Code_IEC=1005, Code_JEITA=0402, LatestRevisionDate=29-May-2009, LatestRevisionNote="IPC-7351 Footprint Added.", PackageDescription="Chip Inductor", PackageReference=0402-A, Published=8-Jun-2000, Publisher="Altium Limited"
OLED1: 0=0, 1=1, 2.8-3.3V=2.8-3.3V, 128x64OLED="128x64 OLED", Connect=Connect, Controller=Controller:, forI2C="for I2C", I2C=I2C, SPI3=SPI3, SPI4=SPI4, SSD1306=SSD1306, VDD=VDD:

## Free pads (board coordinates)
  round 108.27 hole 108.27: ""(128.15,2825) ""(128.15,-775) ""(3757,2825) ""(3760,-776.85)

## Via types
v1: diameter 27.56, hole 13.78, Top Layer to Bottom Layer, tented both sides, 454 vias
v2: diameter 27.56, hole 13.78, Top Layer to Bottom Layer, 2 vias
v3: diameter 140, hole 140, Top Layer to Bottom Layer, tented both sides, 2 vias

## Nets (pads, with @x,y where several pads share a name; then routed paths per layer and width w, separated by ;. In a path a pad name is that pad's centre, name@x,y a point inside that pad or via, vN(x,y) a via of type N, cw(c..) or ccw(c..) an arc to the next point about the centre after c; other vN are vias at no path point)
3.3V: C6.2 C8.1 C10.2 C13.2 C15.2 C18.1 C20.1 C21.1 C32.2 C33.2 J4.4 L2.1 L3.1 OLED1.6 OLED1.9 OLED1.11 P1.34 R5.1 R6.1 R32.1 R46.2 R48.2 R50.2 R56.2 R58.2 R59.2 R85.1 R121.1 R123.2 R124.1 R125.1 S6.1 U1.20 U4.20 U5.6 U5.7 U11.2 U12.28 U14.2 U14.10 U15.6 U15.8 | length 11452.6
  Top Layer w12: OLED1.6@619.17,1200.98 619.17,1259.17 633.35,1273.35 656,1273.35 ; R125.1@656.13,1555 656.13,1273.48 656,1273.35 ; v1(700,1110) 701.85,1111.85 OLED1.9@701.85,1200.98 ; OLED1.9@701.85,1201.98 701.85,1273.35 ; OLED1.11@756.97,1200.98 756.97,1273.35 ; R121.1@803,1388.46 801.03,1388.46 768.28,1355.72 ccw(c795.6,1328.4) 756.97,1328.4 756.97,1273.35 ; S6.1@1318,789 1318,875.43 cw(c1418,875.43) 1418,975.43 v1(1420,975.43) ; U15.8@1823.23,2150 1823.23,2115 1829,2115 ; 1874,2115 1874.41,2115 U15.6@1874.41,2150 ; J4.4@2001.34,2378.74 2001.34,2459 cw(c2027.34,2459) 2027.34,2485 2259,2485 ccw(c2259,2504) 2278,2504 2278,2650 cw(c2308,2650) 2308,2680 ccw(c2308,2710) 2338,2710 2338,2858 cw(c2396,2858) 2396,2916 3074.82,2916 cw(c3074.82,2823.82) L2.1@3140,2889 ; 2431,1624.99 U12.28@2498.58,1624.99 ; U14.10@2438.64,202 2438.64,152.36 ccw(c2450,152.36) 2450,141 ; U14.2@2643.36,202 cw(c2643.36,200.36) 2645,200.36 2645,141 ; 2733.59,600.32 U4.20@2793,600.32 ; 656,1273.35 701.85,1273.35 ; 701.85,1273.35 756.97,1273.35
  Top Layer w20: 2450,141 2645,141 2705.18,141 ccw(c2705.18,217.82) 2759.5,163.5 ; 2730.16,965.16 U1.20@2792.99,965.16
  Top Layer w25: R123.2@1689,2146.54 C15.2@1760,2146.54 ccw(c1791.54,2146.54) 1791.54,2115 1823.23,2115 ; 1829,2115 1874,2115 ; 1874.41,2115 2001.34,2115 ; 1983.92,1966.83 cw(c2022.09,1966.83) C8.1@2022.09,2005 cw(c2022.09,2025.75) 2001.34,2025.75 2001.34,2115 ; J4.4@2001.34,2378.74 2001.34,2115 ; U11.2@2415,2080 2480.13,2080 C6.2@2480.13,2078 ; 2436.65,1656.06 2436.65,1851.4 2462.37,1877.12 2477.12,1877.12 C18.1@2480,1880 ; 2484.07,2106.54 cw(c2526.22,2064.4) 2526.13,2124 cw(c2526.22,2064.4) 2526.22,2124 2775.05,2124 cw(c2775.05,2024) R6.1@2842.71,2097.64 ; L3.1@2844.84,1929.42 ccw(c2844.84,1945.05) 2860.47,1945.05 R5.1@2860.47,2000 2860.47,2051.46 ccw(c2791.56,2051.46) R6.1@2842.71,2097.64 ; R6.1@2860.47,2080 2845.76,2094.71 ccw(c2775.05,2024) R6.1@2842.71,2097.64
  Top Layer w30: v1(2263.06,1210.16) 2263.06,1169.94 ccw(c2284,1169.94) 2284,1149 2728,1149 ; R50.2@2715,1210.47 R48.2@2780,1210.47 ; R46.2@2865,1210.47 R48.2@2780,1210.47 ; C33.2@3393.54,-382 cw(c3393.54,-296.21) 3332.87,-356.87 ccw(c3278.82,-410.93) 3278.82,-334.48 3095.48,-334.48 cw(c3095.48,-293) 3054,-293 3054,-264.5 ccw(c2985.19,-264.5) 3033.86,-215.86 2928,-110 2928,-5 2759.5,163.5 2725.09,197.91 2725.09,1146.09 cw(c2728,1146.09) 2728,1149 ; 2728,1149 2780,1149 R48.2@2780,1210.47
  Bottom Layer w50: P1.34@147,1050.3 148.73,1052.03 172.03,1052.03 330,1210 701.85,1210 ; v1(700,1110) 700.49,1110.49 700.49,1161.18 701.85,1162.54 701.85,1210 ; v1(1420,975.43) 1420,1210 ; 1983.92,1210 1420,1210 ; v1@1983.92,1703.08 v1(1983.92,1651.05) 1983.92,1214.08 ccw(c1988,1214.08) 1988,1210 v1(2032,1210) 2263.06,1210 v1(2263.06,1210.16) cw(c2263.9,1210.16) 2263.9,1211 2348,1211 cw(c2348,1164) 2395,1164 v1@2395,986 ; v1@2128.41,2076 v1(2185.66,2076) v1(2415,2076) ; 701.85,1210 1420,1210
  other v1: 2395.43,984 1979,1708 2126,2075 2352,2077
5V: C4.2 C5.2 C9.2 C12.1 C14.1 C17.1 C19.1 D1.2 DS1.1 DS2.1 DS3.1 DS4.1 J1.9 J8.01 K1.1 L1.1 L4.2 LED1.1-VDD LED2.1-VDD LS1.1 P1.36 P3.1 P4.2 Q4.2 R31.2 R33.2 R44.1 U2.L1 U6.16 U8.16 U9.16 U10.19 U11.3 U13.16 U14.19 | length 17977.1
  Top Layer w12: 522,-37 U9.16@522,14 ; 821,-39 U8.16@821,14 ; 1115,-34 U6.16@1115,14 ; 2599,2822 cw(c2675,2822) 2675,2898 3018,2898 cw(c3018,2858) 3058,2858 ccw(c3106,2858) 3106,2810 L1.1@3139,2810 ; U14.19@2643.36,-23.98 2643.36,-79.54 ccw(c2650.39,-79.54) 2650.39,-86.57 2725,-86.57 ; C12.1@2725,-58.46 2725,-86.57 ; v1(2788,-120) ccw(c2754.57,-120) 2754.57,-86.57 2725,-86.57 ; J1.9@3445.31,459.96 ccw(c3455.28,459.96) 3455.28,450 3720.86,450
  Top Layer w19.68: R33.2@269.46,-480 269.46,-368.83 cw(c315.21,-368.83) 315.21,-323.08 1033.71,-323.08 ccw(c1033.71,-292.04) K1.1@1064.75,-292.04
  Top Layer w20: U13.16@215,14.3 215,-6.49 ccw(c247.51,-6.49) 247.51,-39 821,-39 1169,-39 ; LED1.1-VDD@1863.04,-59.46 1863.57,-78.98 1864.09,-97.77 cw(c1844.09,-98.32) 1864.09,-97.84 ccw(c1892.78,-96.27) 1892.69,-125 1898.16,-125 2052,-125 ccw(c2052,-93.96) 2083.04,-93.96 LED2.1-VDD@2083.04,-59.46 LED2.1-VDD@2083.04,-56.46
  Top Layer w50: DS4.1@36,805.3 41.91,805.3 42.5,805.89 42.5,861.96 75.48,894.94 134.52,894.94 ; P1.36@147,950.3 148.73,948.57 148.73,899.57 ; 149.17,894.94 488.7,894.94 cw(c488.7,894) 489.64,894 1184,894 1240,838 1240,15 1178.66,15 ccw(c1178.66,1.34) D1.2@1169,11 1169,-39 1169,-159.64 cw(c1119,-159.64) 1155.71,-193.59 K1.1@1064.75,-292.04 ; 238,921.74 238,1767 cw(c301,1767) 301,1830 367,1830 ccw(c367,1893) 430,1893 U2.L1@430,1897 C9.2@541,1897 ; DS3.1@334,805 339.91,805 340.5,805.59 340.5,858.73 375.77,894 ; P3.1@1766,-98 1858.04,-98 ; 2290,1905 2290,2170.55 U11.3@2380,2170.55 C17.1@3111.6,2170.55 ; C17.1@3116,2166.15 3116,2218 cw(c3216,2218) 3124.36,2258.02 cw(c3216,2218) 3141.78,2285.01 cw(c3216,2218) 3216,2318 3568,2318 cw(c3568,2219) 3667,2219 3667,2110 ; C14.1@3208.93,-134 ccw(c3209.93,-134) 3209.93,-135 v1(3275,-135) 3645,-135 ccw(c3645,-59) 3721,-59 3721,1806.23 3720.86,1810 3720.86,1896.14 3667,1981 3667,2110 ; Q4.2@3253.6,-194.72 3253.6,-156.4 ; J8.01@3525,2110 3667,2110
  Bottom Layer w12: v1(2823.22,-404.54) ccw(c2823.22,-383) 2844.75,-383
  Bottom Layer w25: v1@2446.75,-321.69 2442.75,-317.69 2442.75,-316.31 2450.89,-308.17 2450.89,-200.86 cw(c2519.75,-200.86) 2519.75,-132 2844.75,-132 ; P4.2@2919,-765 2874.04,-720.04 cw(c2944.75,-649.33) 2844.75,-649.33 2844.75,-383 2844.75,-132 ; v1@3275,-132 2844.75,-132
  Bottom Layer w50: DS4.1@36,805.3 41.91,805.3 42.5,805.89 42.5,845.8 90.35,893.65 147,893.65 P1.36@147,950.3 cw(c293.16,804.14) 281.15,1010.49 cw(c284,960.57) 334,960.57 DS3.1@334,805 ; 350.29,893.65 629,893.65 ; U2.L1@430,1897 838,1897 926,1809 1879,1809 1965,1895 v1@2230,1895 ; DS2.1@632,805 629,805 629,893.65 ; DS1.1@930,805 930,893.65 629,893.65 ; D1.2@1169,11 1437.7,11 cw(c1437.7,-36.8) LS1.1@1471.5,-3 1516.21,-47.71 ccw(c1586.92,23) 1586.03,-77 ccw(c1586.92,23) 1586.92,-77 P3.1@1766,-77
  other v1: 2447.03,-321.98 3310.94,-135.96 2230,1890 2275,1890 2315,1890
7SEG_CLK: P1.6 U2.L17 U4.3 U6.11 U8.11 U9.11 U13.11 | length 7178.6
  Top Layer w12: U13.11@87,14.3 87,93 cw(c149,93) 149,155 381,155 v1(382,154) v1(681,154) v1(983,154) ; v1(380,78) 380,73.79 394,59.79 U9.11@394,14 ; U2.L17@430,2697 cw(c495.18,2631.82) 446.15,2709.88 cw(c495.18,2631.82) 495.18,2724 899.37,2724 cw(c899.47,2670.39) 937.41,2708.27 cw(c892.59,2663.42) 956,2663.42 ; v1(681,70) 681,64 692,53 692,15 U8.11@693,14 ; 956,2663.37 956,2380 956.03,2369.77 ccw(c1019.79,2369.79) 973.14,2326.33 979.49,2319.51 1053.15,2245.85 cw(c1017.3,2210) 1068,2210 1068,1617.75 1416.72,1258.67 1416.89,1258.49 1422.37,1252.67 1882.52,792.52 1969.75,705.29 ccw(c2040.46,776) 2025.22,677.17 ccw(c2040.46,776) 2040.46,676 2247.24,676 cw(c2247.24,616.24) 2307,616.24 2307,582.19 ccw(c2340.06,582.19) 2340.06,549.13 U4.3@2567.02,549.13 ; v1(980,73) cw(c963.1,56.1) 986.06,62.73 cw(c963.1,56.1) 987,56.1 U6.11@987,14
  Bottom Layer w12: P1.6@155,2450 235.71,2530.71 ccw(c165,2601.42) 265,2601.42 cw(c310.58,2601.42) 310.58,2647 339.36,2647 ccw(c339.36,2701.65) 378.06,2663.06 U2.L17@430,2715 ; v1(380,78) 381,79 381,153 v1(382,154) ; v1(681,70) v1(681,154) ; v1(980,73) 981.5,74.5 981.5,152.5 v1(983,154) 1008.52,154 ccw(c1008.47,166) 1010.89,154.25 cw(c1016,130) 1021.12,154.25 ccw(c1023.53,166) 1023.48,154 1443.58,154 ccw(c1443.58,254) 1514.29,183.29 1649.71,318.71 cw(c1720.42,248) 1720.42,348 2163.64,348 ccw(c2163.64,360) 2166.11,348.26 cw(c2171.17,324) 2176.26,348.25 ccw(c2178.7,360) 2178.7,348 2327.58,348 ccw(c2327.58,448) 2398.29,377.29 ccw(c2331.39,444.19) 2426,444.19 v1(2426,568)
7SEG_DATA: P1.27 U2.14 U4.6 U6.14 | length 6605.1
  Top Layer w12: U6.14@1063,14 1064,37 v1(1079,75) ; U2.14@1425,2497 1342.64,2497 ccw(c1342.64,2453.36) 1299,2453.36 1299,1796 v1(1625,1470) 1660,1470 cw(c1660,1421.72) 1694.14,1455.86 1700,1450 cw(c1667.66,1417.66) 1713.39,1417.66 1713.39,1351.3 ccw(c1776.68,1351.3) 1731.93,1306.55 1766.36,1272.11 1906.96,1134.12 1911.39,1129.79 1977.29,1065.9 1980.2,1065.9 cw(c1980.2,1053.9) 1980.55,1065.9 1988.34,1065.67 ccw(c1989.3,1094.65) 1988.59,1065.66 ; 1988.63,1065.66 1992,1065.58 ccw(c1992.62,1094.58) 1992.62,1065.58 2595.06,1065.58 cw(c2595.06,996.64) 2595.21,1065.58 cw(c2595.06,996.64) 2596.47,1065.56 cw(c2595.06,996.64) 2664,996.64 2664,522.46 cw(c2613.9,522.46) 2613.9,472.36 2500.57,472.36 2492.21,464 v1(2488,464)
  Bottom Layer w12: P1.27@55,1350 79.54,1374.54 cw(c141.01,1313.06) 141.01,1400 ccw(c141.01,1445.84) 173.42,1413.42 313,1553 cw(c349.21,1516.79) 349.21,1568 1497.3,1568 cw(c1497.3,1496.3) 1548,1547 v1(1625,1470) ; v1(1079,75) 1512.58,75 ccw(c1512.58,175) 1583.29,104.29 1747.71,268.71 cw(c1818.42,198) 1818.42,298 2343.58,298 ccw(c2343.58,398) 2414.29,327.29 2420.13,333.13 ccw(c2357.66,395.59) 2446,395.59 2446,422 cw(c2488,422) v1(2488,464)